# Altium PCB PCB.PcbDoc (part 4 of 4) (continued)
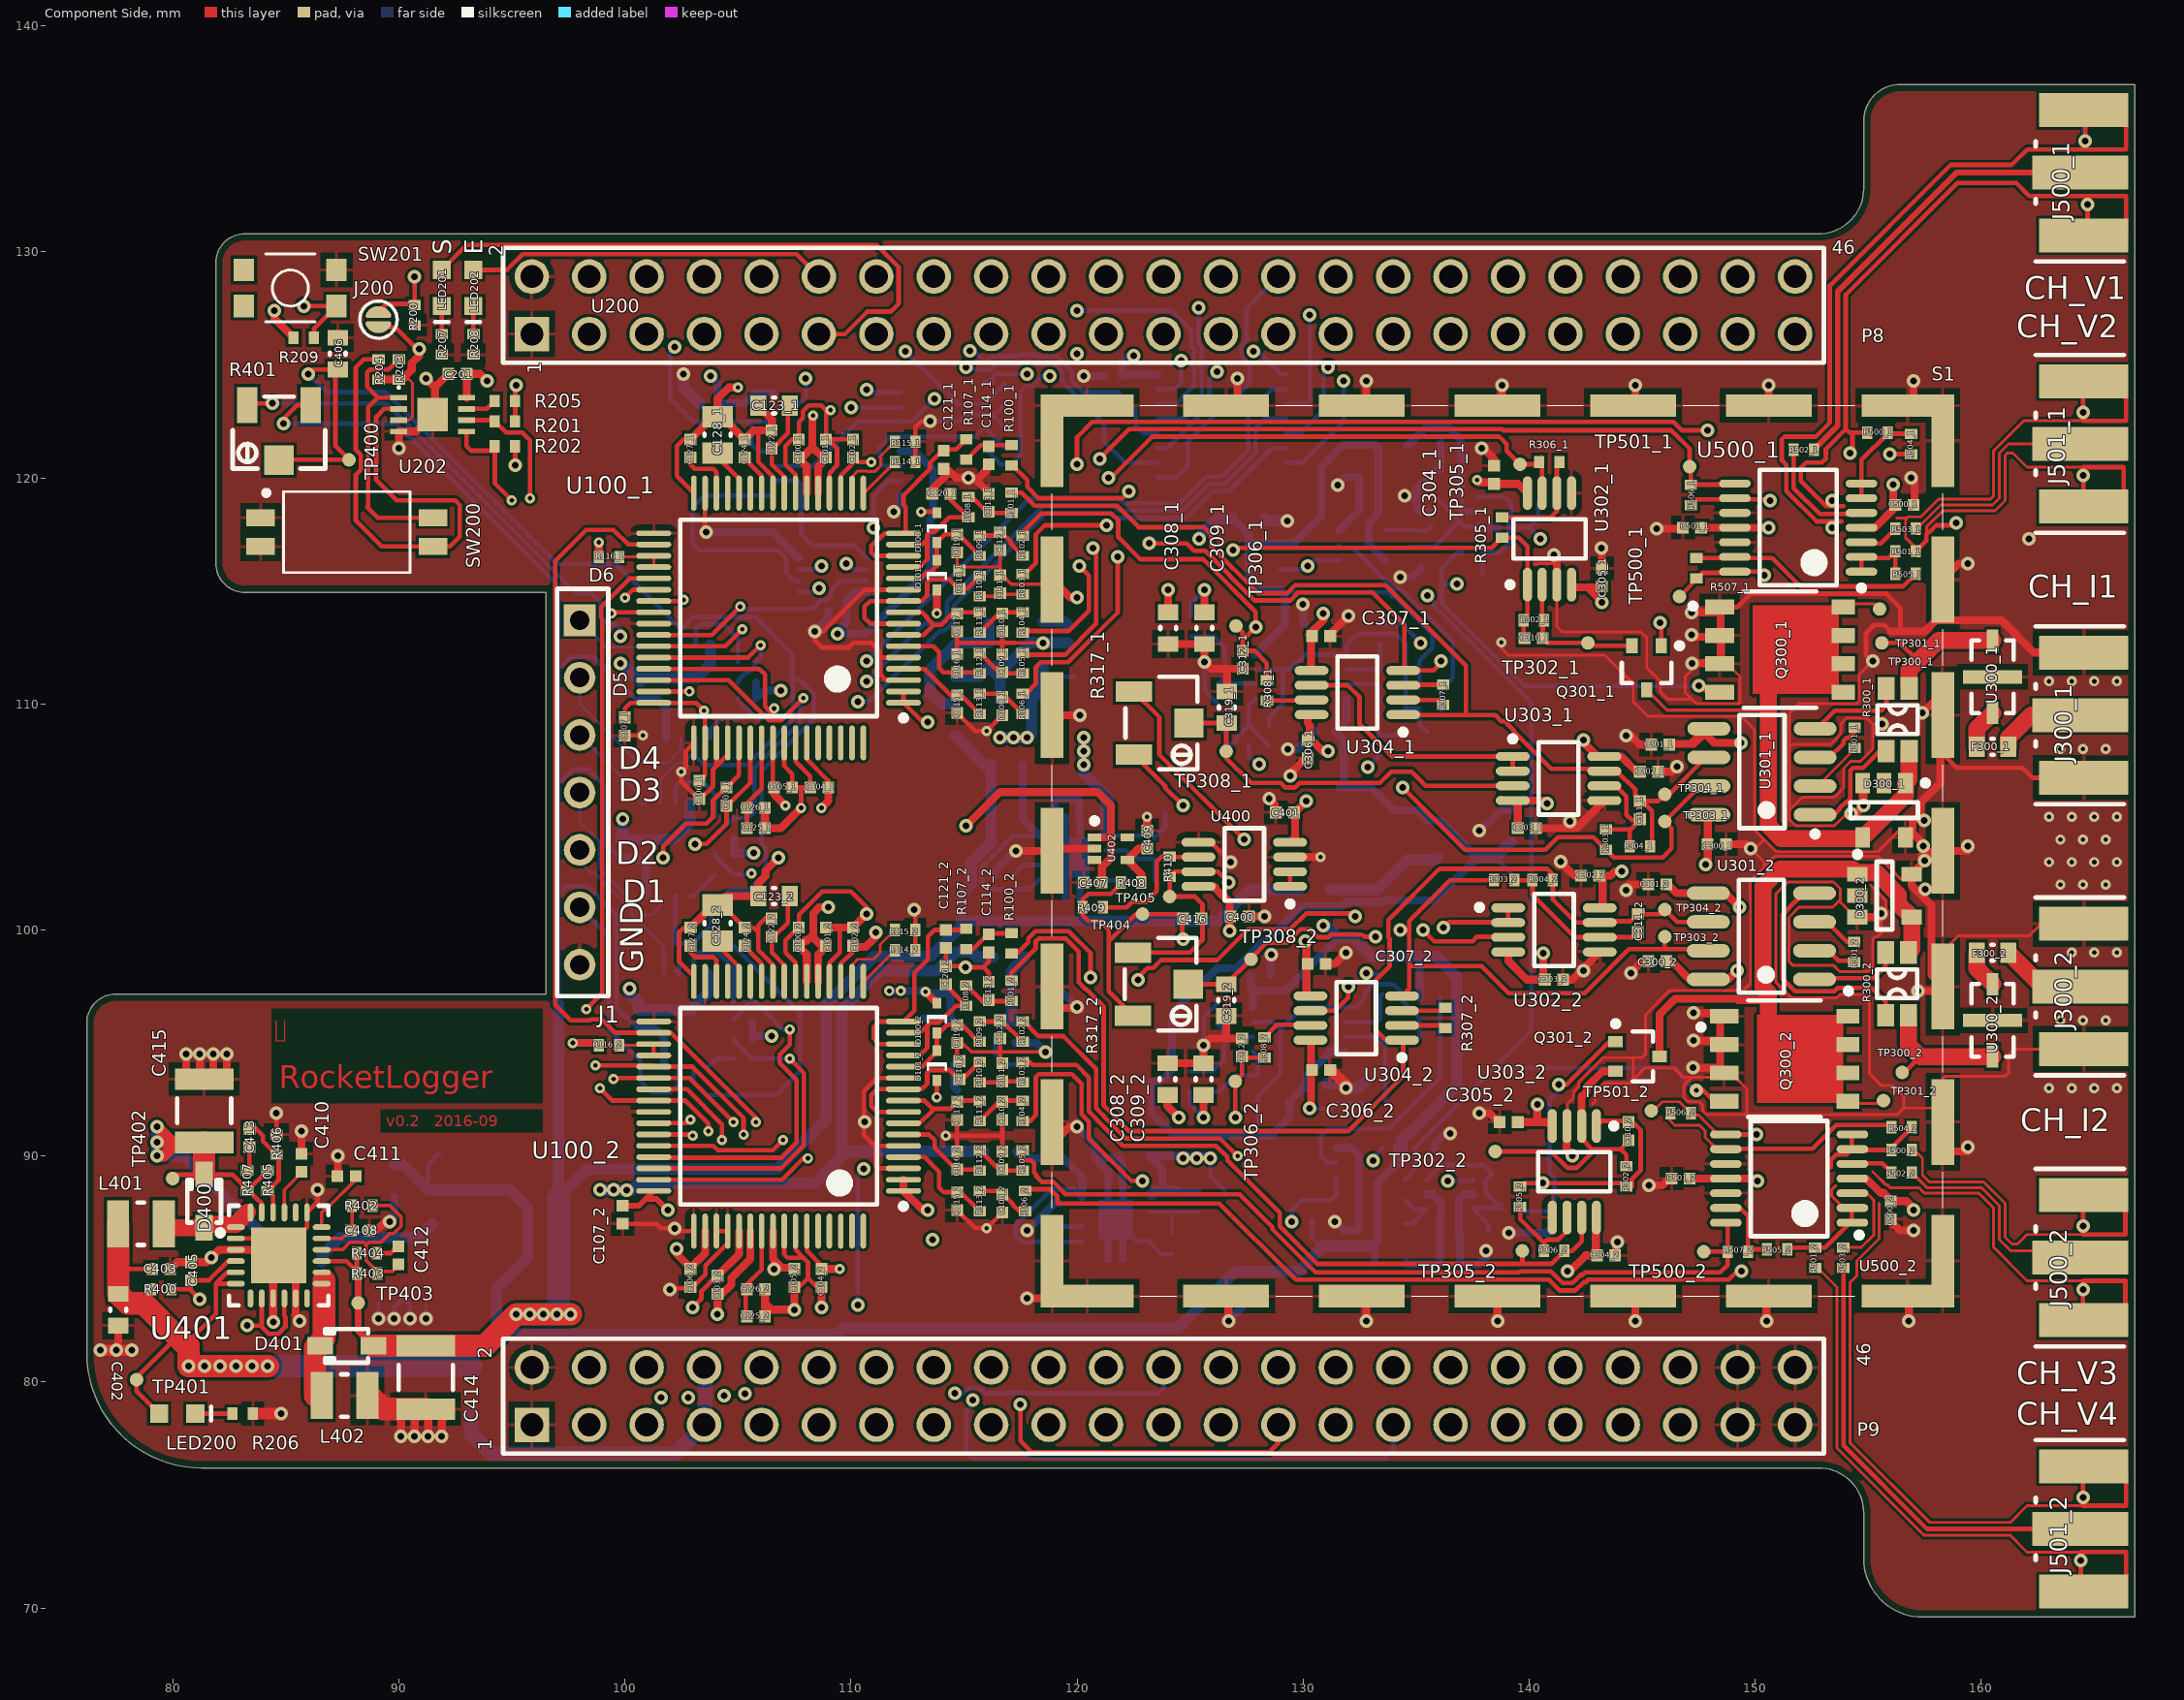
[diagram p0: Component Side view]
## Nets (pads, with @x,y where several pads share a name; then routed paths per layer and width w, separated by ;. In a path a pad name is that pad's centre, name@x,y a point inside that pad or via, vN(x,y) a via of type N, cw(c..) or ccw(c..) an arc to the next point about the centre after c; other vN are vias at no path point) (continued)
NetR603_2_1: R603_2.1 U600_2.1 | length 1.5
  Bottom Side w0.2: U600_2.1@102.879,101.5 103.05,101.5 R603_2.1@104,102.45
NetR603_3_1: R603_3.1 U600_3.1 | length 1.3
  Bottom Side w0.2: U600_3.1@103.679,93.95 104.029,94.3 R603_3.1@104.8,94.3
NetR700_2: R700.2 R702.2 U700.4 U700.6 | length 7.9
  Bottom Side w0.2: U700.6@112.2,120.525 111.475,120.525 111.35,120.65 111.35,120.886 111.275,120.961 111.275,121.366 111.734,121.825 U700.4@112.2,121.825 115.475,121.825 R700.2@115.9,122.25 R702.2@116.8,121.35
NetR701_2: R701.2 R703.2 U700.12 U700.14 | length 28.5
  V- w0.2: v1(102.2,125.8) 102.2,127.1 102.6,127.5 111.9,127.5 112.4,127 v1(112.4,125.6)
  Bottom Side w0.2: v1(102.2,125.8) 102,125.6 102,123.5 103.025,122.475 105.6,122.475 ; U700.12@106.6,121.175 105.925,121.175 105.6,121.5 105.6,122.475 ; U700.14@106.6,122.475 105.6,122.475 ; v1(112.4,125.6) 114.75,123.25 R701.2@115.9,123.25 R703.2@116.8,124.15
NetU100_1_34: U100_1.34 U100_2.34 U200.929 | length 69.5
  Component Side w0.2: U100_1.34@101.275,117.05 100.15,117.05 99.5,117.7 98.3,117.7 96.92,116.32 96.92,96.68 97.6,96 98.464,96 98.513,96.05 98.987,96.05 99.586,95.45 U100_2.34@101.275,95.45 102.05,95.45 105.8,91.7 v2(105.8,91.5)
  Inner Layer 1 w0.2: v2(105.8,91.5) 105.8,90.863 105.45,90.514 105.45,89.648 106.973,88.125 109.879,88.125 115.257,82.747 123.653,82.747 125.1,81.3 125.1,80.1 126.1,79.1 130.45,79.1 U200.929@131.445,78.105
NetU100_1_37: U100_1.37 U100_2.37 U200.922 | length 53.2
  Component Side w0.2: v2(98.3,96.5) 99,97.2 99,113.764 98.95,113.814 98.95,114.286 100.214,115.55 U100_1.37@101.275,115.55 ; v2(98.7,94) 101.225,94 U100_2.37@101.275,93.95 102.986,93.95 105.25,91.686 v2(105.25,90.95)
  Inner Layer 1 w0.2: v2(98.3,96.5) 98.25,96.45 98.25,94.65 98.7,94.2 v2(98.7,94) ; v2(105.25,90.95) 105.125,90.825 105.125,89.513 106.838,87.8 109.744,87.8 115.122,82.422 119.508,82.422 U200.922@121.285,80.645
NetU100_1_38: U100_1.38 U100_2.38 U200.925 | length 58.5
  Component Side w0.2: v2@99.5,93.45 U100_2.38@101.275,93.45 102.85,93.45 v2(104.8,91.5) ; v2(100,114.7) 100.35,115.05 U100_1.38@101.275,115.05
  Inner Layer 1 w0.2: v2(99.5,93.4) 99.475,93.425 99.475,96.723 99.35,96.848 99.35,97.752 99.475,97.877 99.475,103.923 98.95,104.448 98.95,105.262 99.275,105.587 99.275,112.782 99.275,113.217 99.582,113.525 99.682,113.525 100,113.842 v2(100,114.7) ; v2(104.8,91.5) 104.8,89.379 106.704,87.475 109.61,87.475 115.128,81.957 116.803,81.957 117.758,81.002 117.758,80.236 118.794,79.2 124.126,79.2 125.221,78.105 U200.925@126.365,78.105
NetU100_1_39: U100_1.39 U200.928 | length 74.2
  Component Side w0.2: U100_1.39@101.275,114.55 102.55,114.55 v2(102.6,114.6)
  Inner Layer 1 w0.2: v2(102.6,114.6) 101.8,114.6 101.175,113.975 101.175,111.015 100.3,110.14 100.3,105.702 100.75,105.252 100.75,104.548 100.45,104.248 100.45,98.352 101.05,97.752 101.05,96.848 100.6,96.398 100.6,89.819 101.35,89.069 101.35,83.01 102.76,81.6 102.792,81.632 103.914,81.632 104.5,81.046 104.492,81.038 104.492,79.492 v1(104.4,79.4)
  V+ w0.2: v1(104.4,79.4) 104.492,79.308 104.492,77.008 104.9,76.6 129.8,76.6 130.1,76.9 130.1,80.3 129.755,80.645 U200.928@128.905,80.645
NetU100_1_40: U100_1.40 U100_2.40 U200.931 | length 70.6
  Component Side w0.2: v2(98.9,93) 99.45,92.45 U100_2.40@101.275,92.45 102.686,92.45 103.7,91.436 v2(103.7,91.1) ; v2(99.4,114) 99.45,114.05 U100_1.40@101.275,114.05
  Inner Layer 1 w0.2: v2(98.9,93) 99.05,93.15 99.05,93.586 99.15,93.686 99.15,95.786 98.95,95.986 98.95,103.988 98.625,104.313 98.625,105.397 98.95,105.722 98.95,112.647 98.95,113.352 99.4,113.802 v2(99.4,114) ; v2(103.7,91.1) 103.7,89.56 106.435,86.825 109.154,86.825 113.754,82.225 113.94,82.225 115.2,80.965 115.2,79.8 115.5,79.5 115.4,79.4 v1(115.4,79.2)
  Bottom Side w0.2: v1(115.4,79.2) 115.5,79.1 115.1,78.7 115.1,76.9 115.4,76.6 133.6,76.6 133.985,76.985 U200.931@133.985,78.105
NetU100_1_42: U100_1.42 U701.7 | length 10.7
  Component Side w0.2: U100_1.42@101.275,113.05 103.85,113.05 v2(105.1,114.3)
  Bottom Side w0.2: v2(105.1,114.3) 105.2,114.2 108.3,114.2 108.515,114.415 108.515,114.453 108.647,114.585 108.927,114.585 109.125,114.783 109.125,115.025 109.55,115.45 U701.7@110.7,115.45
NetU100_1_43: U100_1.43 U200.930 | length 79
  Component Side w0.2: U100_1.43@101.275,112.55 104.45,112.55 v2(105.2,113.3)
  Inner Layer 1 w0.2: v2(105.2,113.3) 104.4,112.5 102,112.5 101.5,112 101.5,110.881 100.86,110.24 100.86,109.177 101.25,108.786 101.25,108.414 100.986,108.15 100.95,108.15 100.625,107.825 100.625,105.837 101.075,105.387 101.075,104.413 100.775,104.113 100.775,98.487 101.375,97.887 101.375,96.675 100.925,96.225 100.925,89.954 101.675,89.204 101.675,88.835 101.675,88.725 102.825,87.575 102.825,83.925 102.4,83.5 102.4,82.419 102.862,81.957 104.048,81.957 104.825,81.18 104.825,79.994 105.319,79.5 v1(105.319,79.481)
  V+ w0.2: v1(105.319,79.481) 105.319,79.119 104.825,78.625 104.825,77.135 105.035,76.925 126.925,76.925 127.7,77.7 127.7,81.2 128.2,81.7 130.39,81.7 U200.930@131.445,80.645
NetU100_1_47: U100_1.47 U200.815 | length 26.4
  Component Side w0.2: U100_1.47@101.275,110.55 v2(102.85,110.55)
  Inner Layer 1 w0.2: v2(102.85,110.55) 102.85,111.95 103.075,112.175 104.535,112.175 105.21,112.85 105.386,112.85 105.8,113.264 105.8,123.9 107.15,125.25 112.008,125.25 112.183,125.075 112.875,125.075 113.665,125.865 U200.815@113.665,126.365
NetU100_2_39: U100_2.39 U200.927 | length 38.4
  Component Side w0.2: U100_2.39@101.275,92.95 102.75,92.95 104.3,91.4 v2(104.3,90.7) ; v1(117.5,79) 117.5,77.4 118,76.9 128.5,76.9 128.905,77.305 U200.927@128.905,78.105
  Inner Layer 1 w0.2: v2(104.3,90.7) 104.3,89.419 106.569,87.15 109.45,87.15 113.07,83.53 113.095,83.53 114.993,81.632 116.668,81.632 117.433,80.867 117.433,80.102 117.5,80.035 v1(117.5,79)
NetU100_2_42: U100_2.42 U701.3 | length 63.8
  Component Side w0.2: U100_2.42@101.275,91.45 102.75,91.45 v2(102.9,91.6)
  Inner Layer 1 w0.2: v2(102.9,91.6) 103.6,91.6 105.375,93.375 105.375,100.664 105.15,100.888 105.15,103.592 105.483,103.925 106.975,103.925 107.875,103.025 112.925,103.025 113.6,103.7 113.6,105.221 114.075,105.696 114.075,113.639 114.25,113.814 114.25,114.386 114.075,114.561 114.075,116.915 114.425,117.265 114.425,123.023 114.55,123.148 114.55,123.852 113.702,124.7 111.102,124.7 111.052,124.75 110.348,124.75 110.298,124.7 108.442,124.7 108.217,124.925 107.783,124.925 106.958,124.1 106.958,117.442 108.5,115.9 v1(108.7,116.1)
  Bottom Side w0.2: U701.3@107.7,115.95 108.65,115.95 108.7,116 v1(108.7,116.1)
NetU100_2_43: U100_2.43 U200.924 | length 30.2
  Component Side w0.2: U100_2.43@101.275,90.95 102.95,90.95 v2(103,90.9)
  Inner Layer 1 w0.2: v2(103,90.9) 103,89.8 106.3,86.5 109.019,86.5 113.619,81.9 113.806,81.9 114.7,81.006 114.7,79.6 v1(114.6,79.5)
  Bottom Side w0.2: v1(114.6,79.5) 114.957,79.5 115.182,79.725 115.729,79.725 115.954,79.5 116.958,79.5 116.983,79.525 117.717,79.525 117.742,79.5 123.6,79.5 123.825,79.725 U200.924@123.825,80.645
NetU100_2_47: U100_2.47 U200.816 | length 61.9
  Component Side w0.2: U100_2.47@101.275,88.95 106.95,88.95 107.9,89.9 v2(108.1,89.9)
  Inner Layer 1 w0.2: v2(108.1,89.9) 108.1,95.9 106.8,97.2 106.8,99.942 108.582,101.725 113.604,101.725 115.625,103.746 115.625,104.817 115.375,105.067 115.375,113.1 115.55,113.275 115.55,114.925 115.375,115.1 115.375,115.565 117,117.19 117,124.7 117.678,125.378 119.878,125.378 v1(120,125.5)
  V- w0.2: U200.816@113.665,128.905 114.97,127.6 118.906,127.6 119.732,126.774 119.732,125.668 120,125.4 v1(120,125.5)
NetU200_914: U200.914 U700.3 U700.11 | length 74.3
  Inner Layer 1 w0.2: U200.914@111.125,80.645 111.125,83.475 110.5,84.1 104.1,84.1 103.15,85.05 103.15,87.71 102.125,88.735 102.125,91.921 102.579,92.375 102.975,92.375 104.725,94.125 104.725,100.116 104.5,100.34 104.5,103.862 105.213,104.575 107.325,104.575 108.225,103.675 112.656,103.675 112.95,103.969 112.95,105.491 113.375,105.916 113.375,107.665 112.475,108.565 112.475,109.675 113.2,110.4 113.2,113.504 113.025,113.679 113.025,114.521 113.275,114.771 113.275,116.765 112.765,117.275 110.783,117.275 110.475,117.583 110.475,119.675 111.05,120.25 111.086,120.25 112.5,121.664 112.5,122.9 113.1,123.5 v1(113.7,123.5)
  Bottom Side w0.2: U700.11@106.6,120.525 108.325,120.525 110.3,122.5 U700.3@112.175,122.5 ; U700.3@112.2,122.475 U700.3@112.175,122.5 ; v1(113.7,123.5) 112.7,122.5 U700.3@112.175,122.5
NetU200_916: U200.916 U700.7 U700.15 | length 78.4
  Inner Layer 1 w0.2: v1(108,124.4) 108.025,124.375 110.433,124.375 110.483,124.425 110.917,124.425 110.967,124.375 112.815,124.375 113.165,124.025 113.917,124.025 114.225,123.717 114.225,123.283 114.1,123.158 114.1,117.4 113.6,116.9 ; v1(111,117.8) 111.2,117.6 112.9,117.6 113.6,116.9 ; U200.916@113.665,80.645 113.665,81.395 110.635,84.425 104.235,84.425 103.5,85.16 103.5,87.9 102.45,88.95 102.45,91.786 102.714,92.05 103.59,92.05 105.05,93.509 105.05,100.25 104.825,100.475 104.825,103.727 105.348,104.25 107.11,104.25 108.01,103.35 112.79,103.35 113.275,103.835 113.275,105.356 113.7,105.781 113.7,107.8 112.8,108.7 112.8,109.4 113.6,110.2 113.6,113.564 113.35,113.814 113.35,114.386 113.6,114.636 113.6,116.9
  Bottom Side w0.2: U700.15@106.6,123.125 107.525,123.125 108,123.6 v1(108,124.4) ; v1(111,117.8) 111,119.2 111.675,119.875 U700.7@112.2,119.875
NetU306_1_1: U306_1.1 U307_1.4 | length 2.2
  Bottom Side w0.2: U307_1.4@133.625,117.65 133.675,117.7 134.942,117.7 134.992,117.65 135.475,117.65 U306_1.1@135.675,117.85
NetU306_2_1: U306_2.1 U307_2.4 | length 5.5
  Inner Layer 1 w0.2: v1(133.1,89.8) 133.5,89.8 134.4,88.9 v1(136.4,88.9)
  Bottom Side w0.2: v1(133.1,89.8) 133.1,89.925 U307_2.4@133.525,90.35 ; v1(136.4,88.9) 137.475,88.9 U306_2.1@137.525,88.95
NetU400_1: U400.1 U400.2 | length 0.7
  Component Side w0.2: U400.1@129.425,101.925 U400.2@129.425,102.575
NetU700_1: U700.1 U701.6 | length 10.6
  Inner Layer 1 w0.2: v1(109.8,116.2) 109.8,120.8 110.7,121.7 v1(110.7,123.9)
  Bottom Side w0.2: v1(109.8,116.2) 109.85,116.2 110.1,115.95 U701.6@110.7,115.95 ; v1(110.7,123.9) 110.825,123.775 U700.1@112.2,123.775
NetU700_2: U700.2 U701.1 | length 12
  Inner Layer 1 w0.2: v1(108.6,115.11) 108.89,115.11 109.225,115.445 109.225,116.317 109.175,116.367 109.175,122.275 v1(110,123.1)
  Bottom Side w0.2: U701.1@107.7,114.95 108.55,114.95 108.6,115 v1(108.6,115.11) ; v1(110,123.1) 112.175,123.1 U700.2@112.2,123.125
NetU700_9: U700.9 U701.2 | length 11.2
  Bottom Side w0.2: U700.9@106.6,119.225 103.525,119.225 103,118.7 103,117.1 103.3,116.8 106.784,116.8 107.15,116.434 107.15,115.786 107.486,115.45 U701.2@107.7,115.45
NetU700_10: U700.10 U701.5 | length 6.8
  Bottom Side w0.2: U700.10@106.6,119.875 107.625,119.875 107.8,119.7 107.8,117.5 108.3,117 110.15,117 U701.5@110.7,116.45
OFFSETHIGH_1: U303_1.1 U303_1.2 U304_1.6 | length 11.6
  Component Side w0.2: U304_1.6@130.325,110.825 U304_1.6@130.375,110.825 131.975,110.825 132.5,110.3 132.5,109.1 133.925,107.675 U303_1.1@139.275,107.675 U303_1.2@139.275,107.025
OFFSETHIGH_2: U303_2.1 U303_2.2 U304_2.6 | length 11.5
  Component Side w0.2: U304_2.6@130.275,96.425 U304_2.6@130.325,96.425 131.425,96.425 132,97 v1(132,97.5) ; v1(136.2,100.1) 136.443,100.343 139.057,100.343 U303_2.2@139.075,100.325 U303_2.1@139.075,100.975
  Inner Layer 1 w0.2: v1(132,97.5) 132.2,97.301 132.499,97.301 ; 132.5,97.3 133.4,97.3 v1(136.2,100.1)
OUTPUTMIDRANGE_1: C312_1.2 R102_1.2 R308_1.2 R313_1.2 R314_1.1 TP306_1.1 | length 38.5
  Component Side w0.2: R102_1.2@117.6,117.45 117.6,117.61 118.415,118.425 121.517,118.425 121.825,118.117 121.825,117.375 122.8,116.4 125.581,116.4 127.9,114.081 v1(127.9,113.4) 127.334,112.834 ; TP306_1.1@127.034,113.45 127.334,113.15 127.334,112.834 ; C312_1.2@127.384,112.4 C312_1.2@127.334,112.35 ; R308_1.2@128.4,111.05 128.4,111.8 127.85,112.35 C312_1.2@127.334,112.35 ; C312_1.2@127.334,112.35 127.334,112.834
  Inner Layer 1 w0.2: v1(127.9,113.4) 128.05,113.25 v1(128.05,107.325) 128.05,107.25 129,106.3 130.6,106.3 132.584,108.284 132.584,110.084 v1(135.2,112.7)
  Bottom Side w0.2: R313_1.2@127.6,108.15 127.6,107.7 127.975,107.325 v1(128.05,107.325) ; R314_1.1@133.4,113.55 134.35,113.55 v1(135.2,112.7)
OUTPUTMIDRANGE_2: C312_2.2 R102_2.2 R308_2.2 R313_2.2 R314_2.1 TP306_2.1 | length 30.2
  Component Side w0.2: R102_2.2@117.6,95.95 117.65,95.95 118.3,95.3 119.4,95.3 120.85,93.85 120.85,92.112 121.175,91.787 121.175,91.765 122.165,90.775 126.325,90.775 v2(127.1,90) ; v1(127,91.7) TP306_2.1@127,93.3 127.3,93.6 C312_2.2@127.3,94.4 127.35,94.35 R308_2.2@128.3,94.35
  Inner Layer 1 w0.2: v2(127.1,90) 127,90.1 v1(127,91.7) 127,93.242 131.783,98.025 132.725,98.025 v1(132.8,98.1)
  Bottom Side w0.2: v1(127,91.7) R313_2.2@127,92.65 ; v1(132.8,98.1) 132.7,98.2 132.55,98.05 R314_2.1@133.5,98.05
SHORTINPUT_1: C325_1.2 Q300_1.4 R321_1.1 R700.1 | length 50.9
  Component Side w0.2: v1(147.5,110.8) 147.599,110.8 147.904,110.495 Q300_1.4@148.475,110.495
  Inner Layer 1 w0.2: v1(118.8,124.5) 119.4,123.9 119.4,120.3 119.858,119.842 119.858,116.6 119.575,116.317 119.575,115.883 119.883,115.575 126.625,115.575 126.8,115.4 133.758,115.4 134.083,115.075 134.517,115.075 134.742,115.3 135.258,115.3 135.283,115.325 135.717,115.325 135.742,115.3 v1(136.8,115.3) ; v1@147.4,110.9 v1(147.5,110.8)
  Bottom Side w0.2: R700.1@115.9,121.35 116.65,120.6 117.1,120.6 117.5,121 117.5,123.8 117.775,124.075 118.017,124.075 118.442,124.5 v1(118.8,124.5) ; v1(136.8,115.3) 136.125,115.3 ; R321_1.1@137.05,116.7 136.825,116.7 136.125,116 136.125,115.3 ; v1(147.5,110.8) 139.8,110.8 138.65,111.95 138.639,111.95 136.125,114.464 136.125,115.3
SHORTINPUT_2: C325_2.2 Q300_2.4 R321_2.1 R701.1 | length 69.8
  Component Side w0.2: v3(147.4,92.9) 147.713,92.9 148.1,92.513 Q300_2.4@148.45,92.513
  Inner Layer 1 w0.2: v1(117.8,124.6) 117.9,124.6 119,123.5 119,119.898 119.399,119.499 119.399,116.601 119.25,116.452 119.25,115.748 119.748,115.25 120.392,115.25 121.267,114.375 126.175,114.375 126.875,115.075 133.623,115.075 133.948,114.75 134.652,114.75 134.702,114.8 v1(135.5,114.8)
  Bottom Side w0.2: R701.1@115.9,124.15 115.9,124.2 115.95,124.25 116.252,124.25 116.3,124.298 116.3,124.468 116.432,124.6 v1(117.8,124.6) ; R321_2.1@134.5,88.95 134.95,89.4 134.95,90.392 138.458,93.9 ; v1(135.5,114.8) 135.8,114.5 135.8,114.329 138.504,111.625 138.515,111.625 140.1,110.04 140.1,95.542 138.458,93.9 ; v3(147.4,92.9) 147.358,92.9 146.75,93.508 146.75,93.608 146.458,93.9 138.458,93.9
V_RAW: L400.1 U200.907 U200.908 | length 14.9
  Component Side w0.65: U200.907@103.505,78.105 U200.907@103.55,78.15 ; U200.908@103.505,80.645 U200.908@103.55,80.6
  Bottom Side w0.65: L400.1@93.2,78.69 93.2,77.7 94.075,76.825 102.225,76.825 U200.907@103.505,78.105 103.55,78.15 103.55,80.6 U200.908@103.505,80.645
V_TH_D: C406.2 R401.2 TP400.1 U600_1.2 U600_1.6 U600_2.2 U600_2.6 U600_3.2 U600_3.6 | length 82.5
  Component Side w0.2: R401.2@84.7,120.78 84.72,120.8 TP400.1@87.8,120.8 87.2,121.4 87.2,124.7 C406.2@87.3,124.8 86.2,124.8 v1(86,124.6)
  Bottom Side w0.125: U600_2.6@101.579,105.6 101.579,106.662 102.329,107.412 102.612,107.412 U600_1.2@103.129,107.929 ; U600_3.6@102.229,98.2 U600_3.6@102.379,98.05 ; U600_1.2@103.087,108.541 U600_1.2@103.129,108.5
  Bottom Side w0.2: v1(86,124.6) 86.8,123.8 89.4,123.8 97,116.2 99.6,116.2 102.479,113.321 102.479,113.279 ; U600_2.2@102.229,101.5 102.229,99.4 102.4,99.4 ; U600_3.6@102.379,98.05 102.4,98.071 102.4,99.4 ; U600_1.6@102.479,112.6 102.479,113.279 ; U600_3.2@103.029,93.95 103.029,93.271 103.6,92.7 106.7,92.7 107.75,93.75 107.75,96.35 103.9,100.2 103.836,100.2 ; U600_1.2@103.129,108.5 103.129,107.929 103.129,107.671 103.5,107.3 105.4,107.3 107.425,109.325 107.425,110.382 ; 107.425,110.383 107.425,111.1 ; 102.4,99.4 103,99.4 103.8,100.2 103.836,100.2 ; 102.479,113.279 103.05,113.85 105.75,113.85 107.425,112.175 107.425,111.1 107.7,111.1 108.35,110.45 108.35,109.331 106.05,107.031 106.05,103.792 106.225,103.617 106.225,102.489 105.461,101.725 104.582,101.725 103.836,100.979 103.836,100.2
VCCA+: C300_1.2 C300_2.2 C302_1.2 C302_2.2 C304_1.2 C304_2.2 C306_1.2 C306_2.2 C308_1.2 C308_2.2 C400.2 C429.2 C432.2 C500_1.2 C500_2.2 R309_1.2 R309_2.2 R412.2 TP408.1 U301_1.8 U301_2.8 U302_1.8 U302_2.8 U303_1.8 U303_2.8 U304_1.8 U304_2.8 U400.8 U404.1 U500_1.4 U500_2.4 | length 45.9
  Component Side w0.35: C308_2.2@124,92.7 124,92.2 v1(124.5,91.7) ; C308_1.2@124.034,114.05 v1(124.034,115.05) ; U400.8@125.375,101.925 126.075,101.925 126.1,101.9 126.1,101.851 126.451,101.5 126.5,101.5 126.75,101.25 v1(126.75,99.95) ; v1(130.3,92.1) 130.35,92.15 130.35,95.1 U304_2.8@130.325,95.125 ; U304_1.8@130.325,109.525 130.2,109.4 130.2,109.149 130.3,109.049 130.3,108.55 130.2,108.45 130.344,108.45 130.919,107.875 130.944,107.9 v1(131.1,107.9) ; v2(137.7,119.9) 137.8,119.8 138.516,119.8 C304_1.2@138.45,119.734 139.516,119.734 U302_1.8@139.925,119.325 ; v1(141.7,84.9) 141.8,84.9 142.5,85.6 142.95,85.6 U302_2.8@142.95,87.243 ; v1(142.4,108.4) 142.4,108.3 143.025,107.675 U303_1.8@143.325,107.675 144.075,107.675 C302_1.2@144.75,107 ; U303_2.8@143.25,100.993 143.25,102.3 143.15,102.4 143.6,102.4 143.8,102.6 v1(144.1,102.6) ; C300_2.2@146.125,98.618 146.293,98.618 147.098,97.813 U301_2.8@147.925,97.813 148.813,97.813 v1(149.2,98.2) ; v1(147.8,102.9) 147.9,103 C300_1.2@147.9,103.8 147.9,104.945 147.85,104.995 U301_1.8@147.95,105.095 ; U500_2.4@154.3,89 154.909,89 155.541,88.368 155.682,88.368 156.05,88 156.7,88 157,87.7 v1(157,87.6) ; U500_1.4@154.7,117.8 155.3,117.8 156.15,118.65 156.15,118.8 156.1,118.85 v1(156.1,119.7) v1@156.1,119.8
  Bottom Side w0.2: C429.2@124.4,88.4 C429.2@124.45,88.45 ; C429.2@124.4,88.45 C429.2@124.45,88.45 ; R412.2@125.4,88.45 C429.2@124.45,88.45 ; v1(125.9,89.9) 125.9,89.1 TP408.1@126.5,88.5 ; v1(130.3,92.1) 131.25,92.1 131.45,92.3 R309_2.2@132.75,92.3 ; v1(132.866,107.2) R309_1.2@133.35,107.684
  Bottom Side w0.35: 123.8,88.45 123.8,89.4 C432.2@123.2,90 126,90 v1(125.9,89.9)
  Bottom Side w0.5: U404.1@123.3,88.3 123.45,88.45 123.8,88.45 C429.2@124.4,88.45
  other v1: 124.7,89.9 125.3,89.9
VCCA-: C301_1.1 C301_2.1 C303_1.1 C303_2.1 C305_1.1 C305_2.1 C307_1.1 C307_2.1 C309_1.1 C309_2.1 C401.1 C430.2 C433.2 C501_1.1 C501_2.1 R312_1.1 R312_2.1 R413.2 TP409.1 U301_1.5 U301_2.5 U302_1.4 U302_2.4 U303_1.4 U303_2.4 U304_1.5 U304_2.5 U400.4 U403.1 U500_1.11 U500_2.11 | length 46.1
  Component Side w0.35: v1(125.6,91.7) C309_2.1@125.6,92.7 ; C309_1.1@125.634,114.05 v1(125.634,115.05) ; U400.4@129.425,103.875 129.65,104.1 129.65,105.2 v1(130.15,105.7) ; v1(130.1,99.5) 130.15,99.45 130.15,97.25 U304_2.5@130.325,97.075 ; U304_1.5@130.325,111.475 130.35,111.5 130.35,113 130.275,113.075 130.9,113.7 v1(130.9,114) ; U303_1.4@138.76,105.725 U303_1.4@138.76,105.757 ; U303_2.4@139.075,99.025 139.075,98.625 139.9,97.8 C303_2.1@140.7,97.8 140.625,97.875 v1(140.625,98.975) v1@140.557,99.043 ; C303_1.1@139.5,104.5 139.5,105.5 U303_1.4@139.275,105.725 140.675,105.725 v1(140.8,105.6) ; C305_2.1@139.55,91.5 140.793,91.5 U302_2.4@141,91.293 ; 140.357,91.507 v1(140.357,92.28) ; U302_1.4@141.875,115.275 142,115.15 142.6,115.15 ; v1(143.225,114.5) 143.225,114.525 142.6,115.15 ; C305_1.1@143.225,115.15 142.6,115.15 ; C301_2.1@146.125,102.018 146.52,101.623 U301_2.5@147.925,101.623 148.677,101.623 v1@149.3,101 ; C301_1.1@146.25,108.2 146.25,108.235 147.28,108.235 ; C501_2.1@147.15,89 U500_2.11@148.7,89 150,89 v1(150.1,88.9) ; C501_1.1@147.65,117.8 U500_1.11@149.1,117.8 v1(150.6,117.8) ; U301_1.5@147.95,108.905 U301_1.5@147.755,108.71 ; v1(149.375,108.275) 148.19,108.275 U301_1.5@147.755,108.71 ; 147.28,108.235 U301_1.5@147.755,108.71 ; 147.28,108.235 147.215,108.3 147.69,108.775 U301_1.5@147.755,108.71
  Bottom Side w0.2: U403.1@121.275,104.175 123.275,104.175 R413.2@123.4,104.05 123.9,104.55 TP409.1@123.9,105.2 ; R312_2.1@125,92.85 125,92.3 v1(125.6,91.7) ; R312_1.1@125.05,113.884 125.05,114.434 v1@125.65,115.034
  Bottom Side w0.5: v1(120.3,108.5) v1(120.3,107.9) v1(120.3,107.3) 120.3,106.9 C433.2@121.4,105.8 121.275,105.675 U403.1@121.275,104.175
  other v1: 149.3,101
VCOMP+: C416.2 R317_1.1 R317_2.1 R408.1 R409.2 TP404.1 | length 22.3
  Component Side w0.2: R408.1@121.95,102.1 121.95,102.05 121.5,101.6 120.5,101.6 120.25,101.35 R409.2@120.25,101 120.25,100.65 120.5,100.4 121,100.4 121.4,100 121.4,99.5 ; R317_2.1@122.48,96.205 121.4,97.285 121.4,99.5 ; R317_1.1@122.514,107.755 123.9,106.369 123.9,106.3 v1(124.7,105.5) ; v1(124.7,99.6) 124.65,99.65 C416.2@124.65,100.55 ; C416.2@124.7,100.5 C416.2@124.65,100.55 ; 121.4,99.5 122.6,100.7 TP404.1@122.9,100.7 124.5,100.7 C416.2@124.65,100.55
  Inner Layer 1 w0.2: v1(124.7,99.6) v1(124.7,105.5)
VCOMP-: C416.1 R317_1.3 R317_2.3 R410.1 TP405.1 U400.7 | length 21
  Component Side w0.2: R317_2.3@122.48,98.995 124.995,98.995 125.55,99.55 125.55,101.15 125.225,101.475 TP405.1@124.1,101.475 R410.1@124.1,102.35 124.325,102.575 U400.7@125.375,102.575 126.225,102.575 v1(126.7,102.1) ; R317_1.3@122.514,110.545 123.645,109.414 123.645,107.755 v1(127.4,104)
  Inner Layer 1 w0.2: v1(126.7,102.1) 127.4,102.8 v1(127.4,104)
VIN: C402.2 C403.2 C404.1 L400.2 L401.1 LED200.2 R400.2 TP401.1 U401.5 U401.6 | length 35.4
  Component Side w0.2: 77.59,85 C403.2@79.09,85 ; LED200.2@79.4,78.6 78.4,79.6 TP401.1@78.4,80.1 78.4,80.202 80.198,82 ; 80.598,81.6 80.598,81.698 81.91,83.01 81.91,84.35 ; U401.6@82.79,84.35 81.91,84.35 ; U401.5@82.79,84.85 82.41,84.85 81.91,84.35
  Component Side w1: L401.1@77.58,87 77.59,86.99 77.59,85 C402.2@77.59,83.9 78.015,83.475 78.665,83.475 78.665,83.468 78.708,83.425 78.773,83.425 80.198,82 80.598,81.6 80.7,81.6 v1(80.7,80.7) v1(81.4,80.7) v1(82.1,80.7) v1(82.8,80.7) v1(83.5,80.7) v1(84.2,80.7)
  Bottom Side w1: v1(80.7,80.7) v1(81.4,80.7) v1(82.1,80.7) v1(82.8,80.7) v1(83.5,80.7) v1(84.2,80.7) 90.2,80.7 90.21,80.71 L400.2@93.2,80.71
pads on no net: D300_1.2 D300_2.2 SW201.2 SW201.4 U100_1.27 U100_1.29 U100_1.60 U100_1.61 U100_1.62 U100_1.63 U100_1.64 U100_2.27 U100_2.29 U100_2.60 U100_2.61 U100_2.62 U100_2.63 U100_2.64 U200.803 U200.804 U200.805 U200.806 U200.807 U200.808 U200.809 U200.810 U200.813 U200.817 U200.818 U200.819 U200.820 U200.821 U200.822 U200.823 U200.824 U200.825 U200.826 U200.830 U200.831 U200.832 U200.833 U200.834 U200.835 U200.836 U200.837 U200.838 U200.842 U200.843 U200.844 U200.845 U200.846 U200.905 U200.906 U200.909 U200.910 U200.913 U200.915 U200.917 U200.918 U200.921 U200.923 U200.926 U200.932 U200.933 U200.934 U200.935 U200.936 U200.937 U200.938 U200.939 U200.940 U200.941 U200.942 U401.7 U401.12 U401.20 U402.5 U403.3 U403.7 U404.3 U404.7 U407.1 U407.3 U700.13

## Polygon pours and split planes (outlines as drawn)
GND on V+ "GND_L04_P034" (solid, pour order 34): 81.279,76.2 152.8,76.2 cw(c152.8,74.2) 154.8,74.2 154.8,72.2 ccw(c157.4,72.2) 157.4,69.6 166.8,69.6 166.8,137.4 156.4,137.4 ccw(c156.4,135.8) 154.8,135.8 154.8,132.8 cw(c152.8,132.8) 152.8,130.8 83.195,130.8 ccw(c83.184,129.531) 81.915,129.54 81.915,116.205 ccw(c83.185,116.205) 83.185,114.935 96.52,114.935 96.52,97.155 77.47,97.155 ccw(c77.469,95.886) 76.2,95.885 76.2,81.28 ccw(c81.279,81.279)
VCCA+ on V+ "VCCA+_L04_P006" (solid, remove dead copper, pour order 6): 159.25,123.25 159.25,83.5 120,83.5 120,123 120.25,123.25
+2.5V on V+ "+2.5V_L04_P013" (solid, remove dead copper, pour order 13): 97,123 116,123 116,83 97,83 94,86 94,97.1 96.4,97.1 96.4,96.9 ccw(c96.562,97.062) 96.634,96.845 96.65,96.85 ccw(c96.55,97.15) 96.85,97.05 96.855,97.066 ccw(c96.638,97.138) 96.8,97.3 96.52,97.3 96.52,115 97,115.415
-2.5V on V- "-2.5V_L05_P015" (solid, pour order 15): 120,124.9 103.2,124.9 103.135,124.835 103.135,82.078 103.157,82.1 120,82.1
3.3V on V- "3.3V_L05_P011" (solid, remove dead copper, pour order 11): 82,131 103,131 103,76 97,76 97,115 82,115 82,131
VCCA- on V- "VCCA-_L05_P007" (solid, remove dead copper, pour order 7): 159.25,123 120.25,123 120,123.25 120,83.75 159.5,83.75
GND on V- "GND_L05_P031" (solid, pour order 31): 81.279,76.2 152.8,76.2 cw(c152.8,74.2) 154.8,74.2 154.8,72.2 ccw(c157.4,72.2) 157.4,69.6 166.8,69.6 166.8,137.4 156.4,137.4 ccw(c156.4,135.8) 154.8,135.8 154.8,132.8 cw(c152.8,132.8) 152.8,130.8 83.195,130.8 ccw(c83.184,129.531) 81.915,129.54 81.915,116.205 ccw(c83.185,116.205) 83.185,114.935 96.52,114.935 96.52,97.155 77.47,97.155 ccw(c77.469,95.886) 76.2,95.885 76.2,81.28 ccw(c81.279,81.279)
GND on Component Side "GND_L01_P027" (solid, pour order 27): 81.279,76.2 152.8,76.2 cw(c152.8,74.2) 154.8,74.2 154.8,72.2 ccw(c157.4,72.2) 157.4,69.6 166.8,69.6 166.8,137.4 156.4,137.4 ccw(c156.4,135.8) 154.8,135.8 154.8,132.8 cw(c152.8,132.8) 152.8,130.8 83.195,130.8 ccw(c83.184,129.531) 81.915,129.54 81.915,116.205 ccw(c83.185,116.205) 83.185,114.935 96.52,114.935 96.52,97.155 77.47,97.155 ccw(c77.469,95.886) 76.2,95.885 76.2,81.28 ccw(c81.279,81.279)
GND on Inner Layer 1 "GND_L03_P028" (solid, pour order 28): 81.279,76.2 152.8,76.2 cw(c152.8,74.2) 154.8,74.2 154.8,72.2 ccw(c157.4,72.2) 157.4,69.6 166.8,69.6 166.8,137.4 156.4,137.4 ccw(c156.4,135.8) 154.8,135.8 154.8,132.8 cw(c152.8,132.8) 152.8,130.8 83.195,130.8 ccw(c83.184,129.531) 81.915,129.54 81.915,116.205 ccw(c83.185,116.205) 83.185,114.935 96.52,114.935 96.52,97.155 77.47,97.155 ccw(c77.469,95.886) 76.2,95.885 76.2,81.28 ccw(c81.279,81.279)
GND on GND "GND_L02_P029" (solid, pour order 29): 81.279,76.2 152.8,76.2 cw(c152.8,74.2) 154.8,74.2 154.8,72.2 ccw(c157.4,72.2) 157.4,69.6 166.8,69.6 166.8,137.4 156.4,137.4 ccw(c156.4,135.8) 154.8,135.8 154.8,132.8 cw(c152.8,132.8) 152.8,130.8 83.195,130.8 ccw(c83.184,129.531) 81.915,129.54 81.915,116.205 ccw(c83.185,116.205) 83.185,114.935 96.52,114.935 96.52,97.155 77.47,97.155 ccw(c77.469,95.886) 76.2,95.885 76.2,81.28 ccw(c81.279,81.279)
GND on Bottom Side "GND_L06_P032" (solid, pour order 32): 81.279,76.2 152.8,76.2 cw(c152.8,74.2) 154.8,74.2 154.8,72.2 ccw(c157.4,72.2) 157.4,69.6 166.8,69.6 166.8,137.4 156.4,137.4 ccw(c156.4,135.8) 154.8,135.8 154.8,132.8 cw(c152.8,132.8) 152.8,130.8 83.195,130.8 ccw(c83.184,129.531) 81.915,129.54 81.915,116.205 ccw(c83.185,116.205) 83.185,114.935 96.52,114.935 96.52,97.155 77.47,97.155 ccw(c77.469,95.886) 76.2,95.885 76.2,81.28 ccw(c81.279,81.279)

## Other copper
Component Side:
  text "" at 84.508,94.7 h2
  text "RocketLogger" at 84.7,93 h1
  text "v0.2   2016-09" at 89.445,91.3 h0.5
GND:
  pour cut-out: 96.4,114.9 96.8,114.9 cw(c98.363,113.437) 96.9,115 ccw(c96.579,114.979) 96.6,115.3 96.4,115.2
V+:
  pour cut-out: 96.4,114.9 96.8,114.9 cw(c98.363,113.437) 96.9,115 ccw(c96.579,114.979) 96.6,115.3 96.4,115.2

## Silkscreen, mask and mechanical layers (free items; w line width, h text height)
Top Overlay:
  text "46" at 153.4,129.9 h0.6
  text "S" at 92.3,129.875 h0.8 r90
  text "E" at 93.7,129.875 h0.8 r90
  text "CH_V1" at 161.9,127.9 h1
  text "CH_V2" at 161.567,126.2 h1
  text "D6" at 98.4,115.4 h0.6
  text "CH_I1" at 162.067,114.7 h1
  text "D5" at 100.1,110.3 h0.6 r90
  text "D4" at 99.7,107.1 h1
  text "D3" at 99.7,105.7 h1
  text "D2" at 99.6,102.9 h1
  text "D1" at 99.9,101.2 h1
  text "GND" at 100.8,98.1 h1 r90
  text "CH_I2" at 161.733,91.1 h1
  text "46" at 155.1,80.7 h0.6 r90
  text "CH_V3" at 161.567,79.9 h1
  text "CH_V4" at 161.567,78.1 h1
Top Solder:
  text "" at 84.508,94.7 h2
  text "RocketLogger" at 84.7,93 h1
  text "v0.2   2016-09" at 89.445,91.3 h0.5
Mechanical 4:
  the board outline again, w0.254

## Dimensions
154.8,132.8 to 166.8,137.4 on Mechanical 1
156.4,137.4 to 157.4,69.6 on Mechanical 1
166.8,69.6 to 76.2,81.28 on Mechanical 1
83.195,130.8 to 81.279,76.2 on Mechanical 1

## Text inside footprints (layer, text, board x,y; h text height)
U200: Top Overlay "2" at 94.6,129.8 h0.6 r90; Top Overlay "P8" at 154.7,126 h0.6; Top Overlay "P9" at 154.5,77.6 h0.6; Top Overlay "1" at 96.3,124.6 h0.6 r90; Top Overlay "2" at 94.107,81.026 h0.6 r90; Top Overlay "1" at 94.107,76.962 h0.6 r90